# Altium PCB UmTRXv2.PcbDoc (part 1 of 25) (continued)
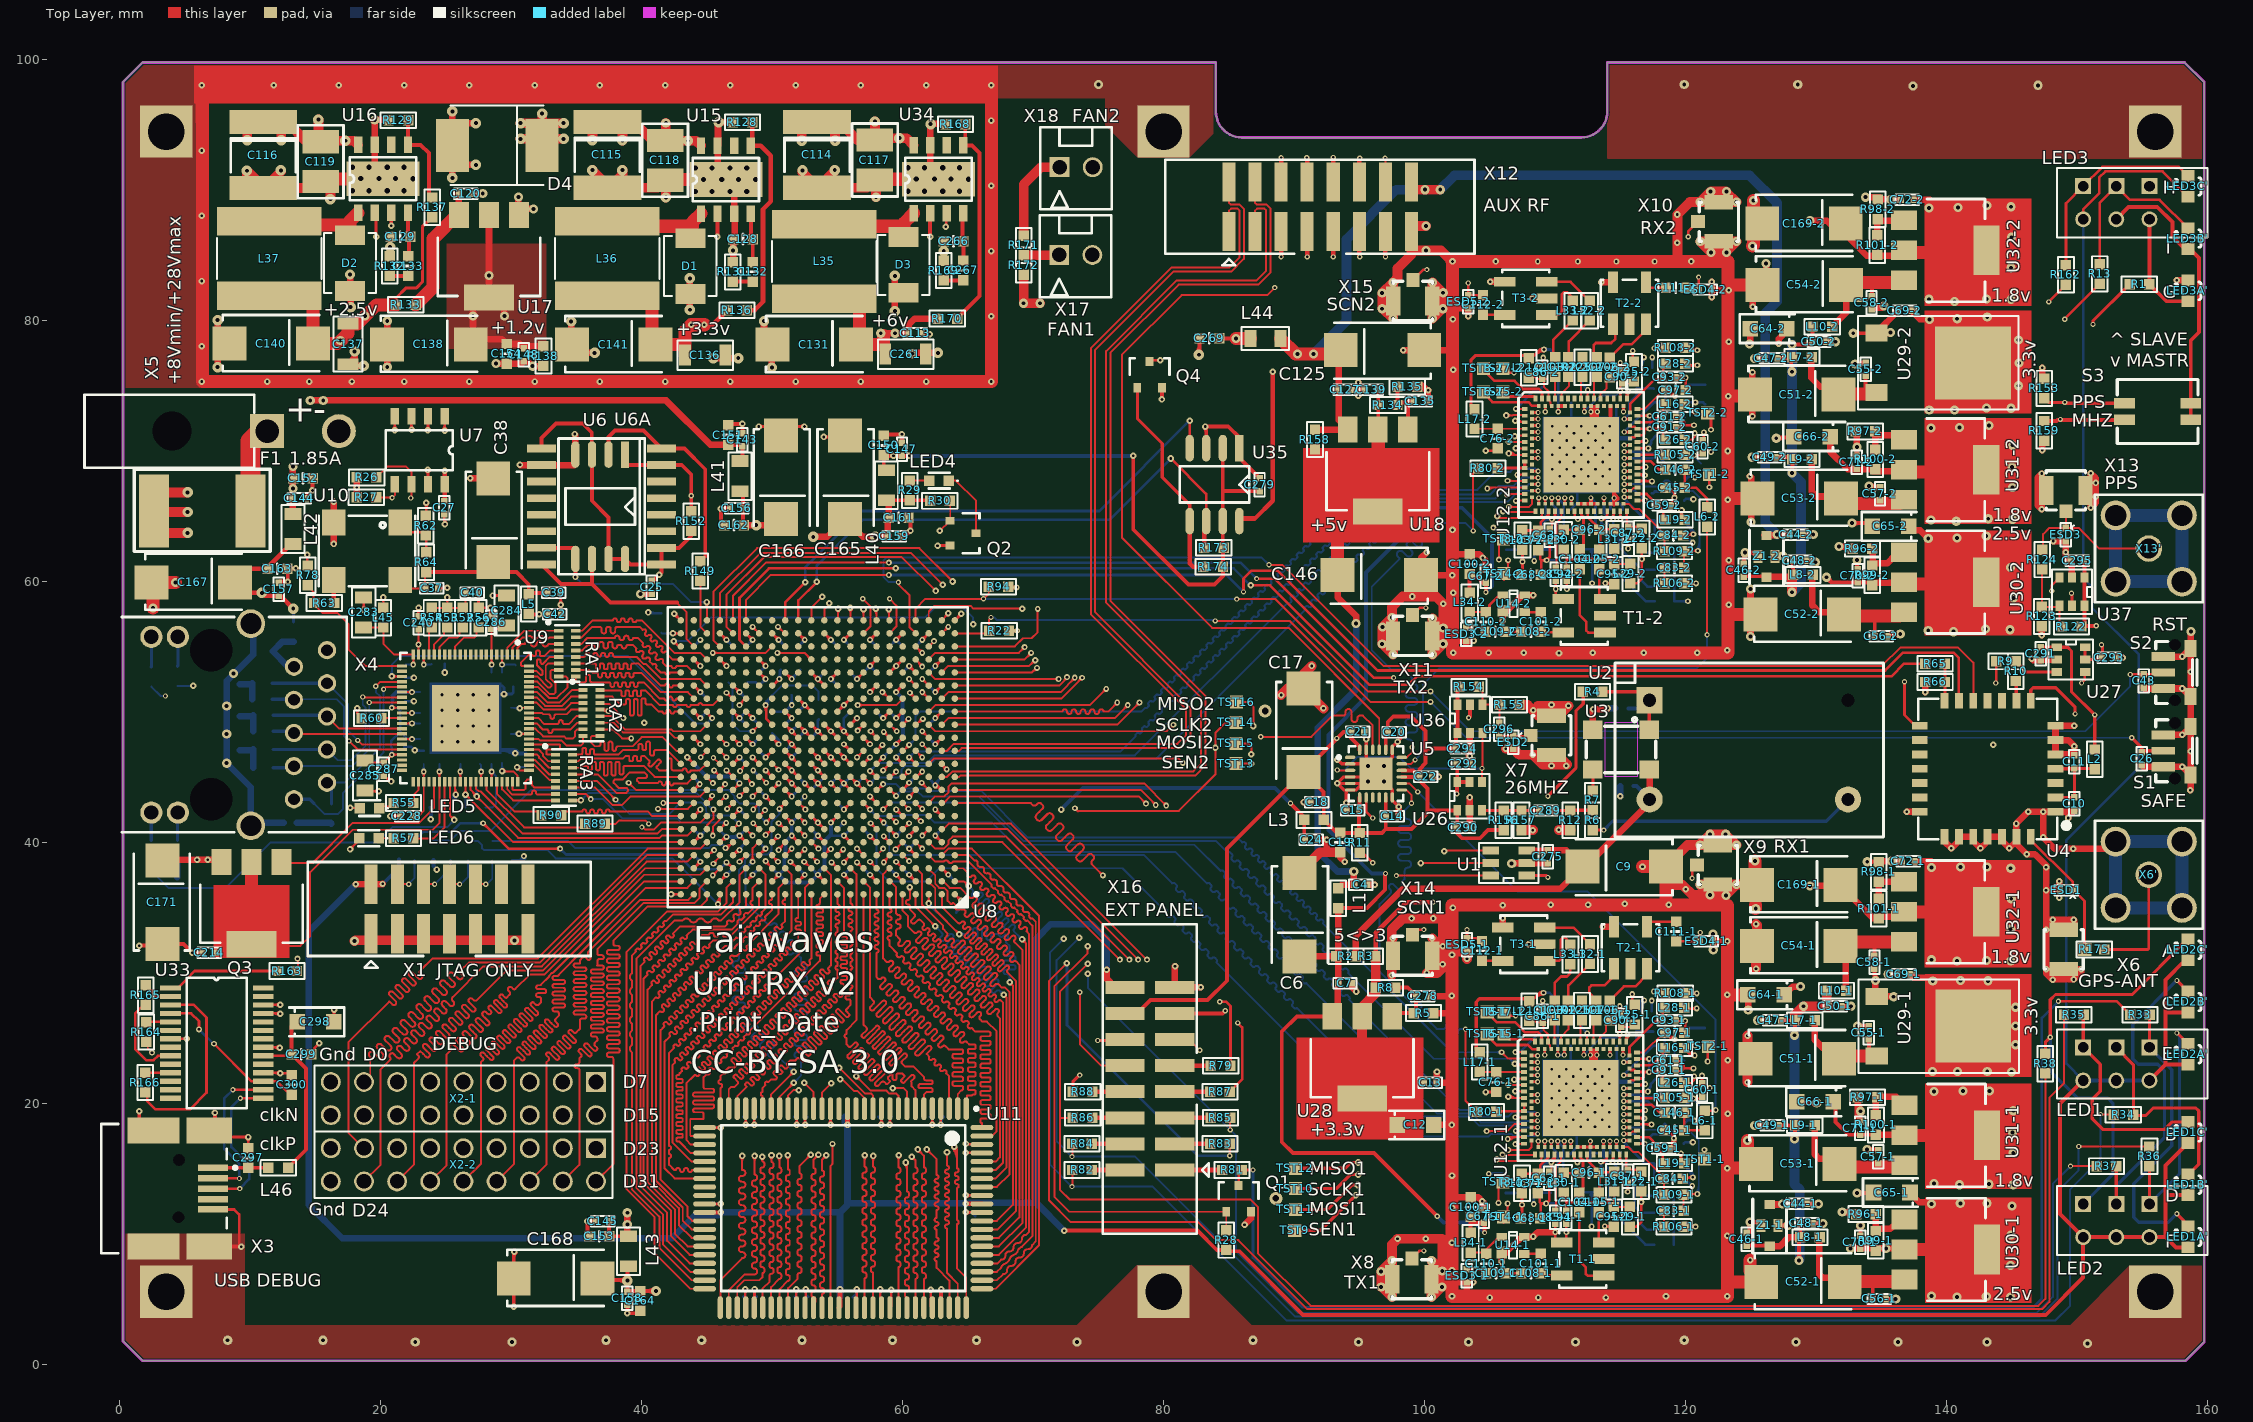
[diagram p0: Top Layer view]
## Components (designator, comment, footprint, x,y, rotation, side; value= is the part's Value field where it differs from the comment) (continued)
C72-1 "0.1" C0402-Phillips 137.05,38.55 r180 top (schematic designator C72)
C72-2 "0.1" C0402-Phillips 137,89.225 r180 top (schematic designator C72)
C73-1 "10.0" C0603-Phillips 118.307,15.388 r0 bottom (schematic designator C73)
C73-2 "10.0" C0603-Phillips 118.346,64.68 r0 bottom (schematic designator C73)
C74-1 "1.0" C0603-PHILLIPS 110.757,13.888 r270 bottom (schematic designator C74)
C74-2 "1.0" C0603-PHILLIPS 110.796,63.18 r270 bottom (schematic designator C74)
C75-1 "10.0" C0603-Phillips 116.311,26.308 r90 bottom (schematic designator C75)
C75-2 "10.0" C0603-Phillips 116.325,75.6 r90 bottom (schematic designator C75)
C76-1 "1.0" C0603-PHILLIPS 105.5,21.6 r270 top (schematic designator C76)
C76-2 "1.0" C0603-PHILLIPS 105.6,70.925 r270 top (schematic designator C76)
C77-1 "1.0" C0603-PHILLIPS 108.657,13.838 r270 top (schematic designator C77)
C77-2 "1.0" C0603-PHILLIPS 108.696,63.13 r270 top (schematic designator C77)
C78-1 "0.1" C0402-Phillips 115.525,16.175 r180 bottom (schematic designator C78)
C78-2 "0.1" C0402-Phillips 115.7,65.45 r180 bottom (schematic designator C78)
C79-1 "0.1" C0402-Cirq 115.225,24.35 r180 bottom (schematic designator C79)
C79-2 "0.1" C0402-Cirq 115.175,73.5 r180 bottom (schematic designator C79)
C80-1 "0.1" C0402-Cirq 115.925,21.15 r90 bottom (schematic designator C80)
C80-2 "0.1" C0402-Cirq 115.875,70.5 r90 bottom (schematic designator C80)
C81-1 "1.0" C0603-PHILLIPS 108.961,26.308 r90 bottom (schematic designator C81)
C81-2 "1.0" C0603-PHILLIPS 109,75.6 r90 bottom (schematic designator C81)
C82-1 "470p" C0603-PHILLIPS 119.157,18.438 r0 bottom (schematic designator C82)
C82-2 "470p" C0603-PHILLIPS 119.196,67.73 r0 bottom (schematic designator C82)
C83-1 "8n2" C0603-PHILLIPS 119.107,11.738 r180 top (schematic designator C83)
C83-2 "8n2" C0603-PHILLIPS 119.146,61.03 r180 top (schematic designator C83)
C84-1 "150p" C0603-PHILLIPS 119.025,14.2 r180 top (schematic designator C84)
C84-2 "150p" C0603-PHILLIPS 119.075,63.5 r180 top (schematic designator C84)
C85-1 "0.1" C0402-Phillips 110.007,11.238 r90 top (schematic designator C85)
C85-2 "0.1" C0402-Phillips 110.046,60.53 r90 top (schematic designator C85)
C86-1 "0.1" C0402-Phillips 109.05,26.675 r90 top (schematic designator C86)
C86-2 "0.1" C0402-Phillips 109.025,76 r90 top (schematic designator C86)
C87-1 "0.1" C0402-Phillips 115.557,14.388 r270 top (schematic designator C87)
C87-2 "0.1" C0402-Phillips 115.596,63.68 r270 top (schematic designator C87)
C88-1 "0.1" C0402-Cirq 110.7,24.375 r0 bottom (schematic designator C88)
C88-2 "0.1" C0402-Cirq 110.75,73.664 r0 bottom (schematic designator C88)
C89-1 "0.1" C0402-Cirq 116.825,17.45 r0 bottom (schematic designator C89)
C89-2 "0.1" C0402-Cirq 116.9,66.75 r0 bottom (schematic designator C89)
C90-1 "0.1" C0402-Phillips 115.075,26.35 r90 top (schematic designator C90)
C90-2 "0.1" C0402-Phillips 115.15,75.65 r90 top (schematic designator C90)
C91-1 "0.1" C0402-Phillips 118.761,22.508 r0 top (schematic designator C91)
C91-2 "0.1" C0402-Phillips 118.8,71.8 r0 top (schematic designator C91)
C92-1 "0.1" C0402-Cirq 113.725,16.15 r0 bottom (schematic designator C92)
C92-2 "0.1" C0402-Cirq 113.746,65.5 r0 bottom (schematic designator C92)
C93-1 "0.1" C0402-Phillips 118.75,26.35 r0 top (schematic designator C93)
C93-2 "0.1" C0402-Phillips 118.775,75.625 r0 top (schematic designator C93)
C94-1 "0.1" C0402-Phillips 110.857,11.238 r90 top (schematic designator C94)
C94-2 "0.1" C0402-Phillips 110.896,60.53 r90 top (schematic designator C94)
C95-1 "100p" C0603-PHILLIPS 114.507,11.288 r270 top (schematic designator C95)
C95-2 "100p" C0603-PHILLIPS 114.55,60.525 r270 top (schematic designator C95)
C96-1 "?" C0603-PHILLIPS 112.6,14.65 r180 top (schematic designator C96)
C96-2 "?" C0603-PHILLIPS 112.625,63.95 r180 top (schematic designator C96)
C97-1 "150p" C0603-PHILLIPS 119.161,25.408 r180 top (schematic designator C97)
C97-2 "150p" C0603-PHILLIPS 119.25,74.65 r180 top (schematic designator C97)
C98-1 "470p" C0603-PHILLIPS 119.161,24.408 r0 bottom (schematic designator C98)
C98-2 "470p" C0603-PHILLIPS 119.2,73.7 r0 bottom (schematic designator C98)
C99-1 "8n2" C0603-PHILLIPS 119.25,25.575 r0 bottom (schematic designator C99)
C99-2 "8n2" C0603-PHILLIPS 119.3,74.875 r0 bottom (schematic designator C99)
C100-1 "100p" C0603-PHILLIPS 103.525,12.025 r270 top (schematic designator C100)
C100-2 "100p" C0603-PHILLIPS 103.45,61.3 r270 top (schematic designator C100)
C101-1 "100p" C0603-PHILLIPS 108.9,7.7 r90 top (schematic designator C101)
C101-2 "100p" C0603-PHILLIPS 108.9,56.875 r90 top (schematic designator C101)
C102-1 "100p" C0603-PHILLIPS 110.975,27.1 r90 top (schematic designator C102)
C102-2 "100p" C0603-PHILLIPS 111,76.4 r90 top (schematic designator C102)
C103-1 "100p" C0603-PHILLIPS 109.961,27.108 r90 top (schematic designator C103)
C103-2 "100p" C0603-PHILLIPS 110,76.4 r90 top (schematic designator C103)
C104-1 "100p" C0603-PHILLIPS 111.857,12.388 r270 top (schematic designator C104)
C104-2 "100p" C0603-PHILLIPS 111.896,61.68 r270 top (schematic designator C104)
C105-1 "100p" C0603-PHILLIPS 113.357,12.388 r270 top (schematic designator C105)
C105-2 "100p" C0603-PHILLIPS 113.375,61.675 r270 top (schematic designator C105)
C106-1 "100p" C0603-PHILLIPS 114.175,27.1 r90 top (schematic designator C106)
C106-2 "100p" C0603-PHILLIPS 114.196,76.38 r90 top (schematic designator C106)
C107-1 "100p" C0603-PHILLIPS 113.15,27.1 r90 top (schematic designator C107)
C107-2 "100p" C0603-PHILLIPS 113.2,76.4 r90 top (schematic designator C107)
C108-1 "??" C0603-PHILLIPS 108.15,6.95 r180 top (schematic designator C108)
C108-2 "??" C0603-PHILLIPS 108.15,56.125 r180 top (schematic designator C108)
C109-1 "??" C0603-PHILLIPS 105.475,6.95 r180 top (schematic designator C109)
C109-2 "??" C0603-PHILLIPS 105.425,56.125 r180 top (schematic designator C109)
C110-1 "100p" C0603-PHILLIPS 104.725,7.7 r270 top (schematic designator C110)
C110-2 "100p" C0603-PHILLIPS 104.675,56.875 r270 top (schematic designator C110)
C111-1 "100p" C0603-PHILLIPS 119.275,33.15 r90 top (schematic designator C111)
C111-2 "100p" C0603-PHILLIPS 119.25,82.475 r180 top (schematic designator C111)
C112-1 "100p" C0603-PHILLIPS 104.4,31.675 r90 top (schematic designator C112)
C112-2 "100p" C0603-PHILLIPS 104.475,81.175 r90 top (schematic designator C112)
C113 "0.1" C0402-Phillips 60.975,79 r0 top
C114 "22uF/50V" C2220 53.45,92.675 r270 top
C115 "22uF/50V" C2220 37.375,92.675 r270 top
C116 "22uF/50V" C2220 11,92.65 r270 top
C117 "10uF/50V" C1210_H2,5 57.875,92.275 r270 top
C118 "10uF/50V" C1210_H2,5 41.8,92.25 r270 top
C119 "10uF/50V" C1210_H2,5 15.4,92.15 r270 top
C120 "0.1" C0402-Phillips 26.525,89.7 r0 top
C125 "100uF" cd7343 96.775,77.7 r180 top
C127 "0.1" C0402-Phillips 93.925,74.675 r0 top
C128 "220p" C0603-PHILLIPS 47.765,86.218 r180 top
C129 "220p" C0603-PHILLIPS 21.5,86.4 r180 top
C131 "330uF" cd7343 53.225,78.125 r0 top
C132 "22n" C0603-PHILLIPS 48.5,83.7 r270 top
C133 "22n" C0603-PHILLIPS 22.125,84.15 r270 top
C135 "0.01" C0402-Phillips 99.675,73.775 r0 top
C136 "4,7uF" c1206 44.875,77.325 r0 top
C137 "4,7uF" c1206 17.5,78.175 r270 top
C138 "100uF" cd7343 23.7,78.15 r0 top
C139 "0.1" C0402-Phillips 95.9,74.675 r180 top
C140 "330uF" cd7343 11.6,78.2 r0 top
C141 "330uF" cd7343 37.85,78.125 r0 top
C143 "0.1" C0402-Phillips 47.725,70.85 r90 top
C144 "0.1" C0402-Phillips 13.775,66.35 r0 top
C145 "0.1" C0402-Phillips 37,10.95 r180 top
C146 "100uF" cd7343 96.531,60.464 r180 top
C146-1 "0.01" C0603-PHILLIPS 119.15,19.25 r180 top (schematic designator C146)
C146-2 "0.01" C0603-PHILLIPS 119.2,68.55 r180 top (schematic designator C146)
C147 "0.1" C0402-Phillips 59.95,70.1 r90 top
C148 "0.1" C0402-Phillips 30.975,77.35 r270 top
C150 "220p" C0603-PHILLIPS 58.55,70.4 r90 top
C151 "220p" C0603-PHILLIPS 46.625,71.2 r90 top
C152 "220p" C0603-PHILLIPS 14.05,67.9 r0 top
C153 "220p" C0603-PHILLIPS 36.75,9.8 r180 top
C154 "220p" C0603-PHILLIPS 29.65,77.425 r270 top
C156 "0.1" C0402-Phillips 47.275,65.6 r180 top
C157 "0.1" C0402-Phillips 12.175,59.375 r90 top
C158 "0.1" C0402-Phillips 38.9,5.05 r270 top
C159 "0.1" C0402-Phillips 59.35,63.45 r0 top
C161 "220p" C0603-PHILLIPS 59.7,64.85 r0 top
C162 "220p" C0603-PHILLIPS 47.075,64.3 r180 top
C163 "220p" C0603-PHILLIPS 12.075,60.95 r0 top
C164 "220p" C0603-PHILLIPS 39.9,4.85 r270 top
C165 "100uF" cd7343 55.575,67.95 r270 top
C166 "100uF" cd7343 50.675,67.95 r270 top
C167 "100uF" cd7343 5.65,59.9 r0 top
C168 "100uF" cd7343 33.4,6.55 r0 top
C169-1 "330uF" cd7343 128.675,36.725 r0 top (schematic designator C169)
C169-2 "330uF" cd7343 129.075,87.4 r0 top (schematic designator C169)
C171 "100uF" cd7343 3.275,35.4 r90 top
C172 "0.1" C0402-cirq 48.5,46 r0 bottom
C174 "0.1" C0402-cirq 48.5,49 r0 bottom
C175 "0.1" C0402-cirq 59.5,47 r180 bottom
C176 "0.1" C0402-cirq 47,38.5 r270 bottom
C177 "0.1" C0402-cirq 48,50.5 r90 bottom
C178 "0.1" C0402-cirq 60,52.5 r270 bottom
C179 "0.1" C0402-cirq 62.95,45.45 r90 bottom
C180 "0.1" C0402-cirq 63,41.5 r90 bottom
C181 "0.1" C0402-cirq 61,40.5 r90 bottom
C182 "0.1" C0402-cirq 55,41.5 r90 bottom
C183 "0.1" C0402-cirq 52.5,40 r180 bottom
C184 "0.1" C0402-cirq 48,41.5 r270 bottom
C185 "0.1" C0402-cirq 43.95,39.55 r270 bottom
C186 "0.1" C0402-cirq 44,54.5 r270 bottom
C187 "0.1" C0402-cirq 49.5,38 r0 bottom
C188 "0.1" C0402-cirq 52.5,38 r0 bottom
C189 "0.1" C0402-cirq 56.5,38 r0 bottom
C190 "0.1" C0402-cirq 59.5,38 r0 bottom
C191 "0.1" C0402-cirq 64,36.5 r90 bottom
C192 "0.1" C0402-cirq 62,48.5 r90 bottom
C193 "0.1" C0402-cirq 60,40.5 r90 bottom
C194 "0.1" C0402-cirq 48.5,40 r0 bottom
C196 "0.1" C0402-cirq 55,43.5 r270 bottom
C197 "0.1" C0402-cirq 50.5,45 r180 bottom
C198 "0.1" C0402-cirq 58.5,53 r0 bottom
C199 "0.1" C0402-cirq 49,52.5 r270 bottom
C200 "0.1" C0402-cirq 56.5,46 r0 bottom
C201 "0.1" C0402-cirq 51.5,55 r180 bottom
C202 "0.1" C0402-cirq 58.5,55 r180 bottom
C203 "0.1" C0402-cirq 54.5,52 r180 bottom
C204 "0.1" C0402-cirq 56.5,41 r180 bottom
C205 "0.1" C0402-cirq 61.5,45 r180 bottom
C206 "0.1" C0402-cirq 52,42.5 r270 bottom
C207 "0.1" C0402-cirq 62,52.5 r90 bottom
C208 "0.1" C0402-cirq 45.45,41 r0 bottom
C209 "0.1" C0402-cirq 43.95,41.5 r90 bottom
C210 "0.1" C0402-cirq 47,45.5 r270 bottom
C211 "0.1" C0402-cirq 45,50.5 r270 bottom
C212 "0.1" C0402-cirq 44,45.5 r90 bottom
C213 "0.1" C0402-cirq 47.5,48 r180 bottom
C214 "2.2" C0402-Phillips 6.85,31.525 r0 top
C215 "0.1" C0402-Phillips 62.6,18.925 r0 bottom
C216 "0.1" C0402-Phillips 58.7,18.925 r180 bottom
C217 "0.1" C0402-Phillips 52.2,18.95 r0 bottom
C218 "0.1" C0402-Phillips 48.3,18.95 r180 bottom
C219 "0.1" C0402-Phillips 48.3,5.15 r180 bottom
C220 "0.1" C0402-Phillips 52.25,5.15 r0 bottom
C221 "0.1" C0402-Phillips 58.675,5.125 r180 bottom
C222 "0.1" C0402-Phillips 62.525,5.1 r0 bottom
C223 "0.1" C0402-Phillips 55.075,18.95 r0 bottom
C224 "0.1" C0402-Phillips 45.425,11.9 r270 bottom
C225 "0.1" C0402-Phillips 55.7,5.125 r180 bottom
C227 "0.1" C0402-Phillips 65.55,11.85 r90 bottom
C228 "2.2" C0402-Phillips 22,42 r0 top
C229 "0.1" C0402-Phillips 23.3,46.5 r90 bottom
C230 "0.1" C0402-Phillips 29.3,52.5 r270 bottom
C231 "0.1" C0402-Phillips 29.5,48.3 r180 bottom
C232 "0.1" C0402-Phillips 26.1,46.5 r90 bottom
C233 "0.1" C0402-Phillips 28.5,46.5 r90 bottom
C234 "0.1" C0402-Phillips 29.5,50.3 r180 bottom
C235 "0.1" C0402-Phillips 31.1,46.3 r90 bottom
C236 "0.1" C0402-Phillips 28.5,52.5 r270 bottom
C237 "0.1" C0402-Phillips 24.4,53.65 r0 bottom
C238 "0.1" C0402-Phillips 24.5,46.5 r90 bottom
C239 "0.1" C0402-Phillips 27.6,46.5 r90 bottom
C240 "0.1" C0402-Phillips 22.9,56.8 r90 top
C241 "0.1" C0402-Phillips 23.5,51.5 r0 bottom
C242 "0.1" C0402-Phillips 21.4,50.8 r0 bottom
C243 "0.1" C0402-Phillips 23.5,49.05 r0 bottom
C244 "0.1" C0402-Phillips 23.5,47.9 r0 bottom
C245 "0.1" C0402-Phillips 21.3,47.3 r0 bottom
C246 "2.2" C0402-cirq 53,41.5 r270 bottom
C247 "2.2" C0402-cirq 54.5,53 r0 bottom
C248 "2.2" C0402-cirq 50,43.5 r90 bottom
C249 "2.2" C0402-cirq 49,47.5 r90 bottom
C250 "2.2" C0402-cirq 49,44.5 r90 bottom
C251 "2.2" C0402-cirq 47.5,55 r0 bottom
C252 "2.2" C0402-cirq 55.5,55 r0 bottom
C254 "2.2" C0402-cirq 60.5,55 r180 bottom
C255 "2.2" C0402-cirq 56.5,48 r180 bottom
C256 "2.2" C0402-cirq 56.5,53 r0 bottom
C257 "2.2" C0402-cirq 51.5,50 r180 bottom
C258 "2.2" C0402-cirq 55.5,50 r0 bottom
C259 "2.2" C0402-cirq 58.5,50 r0 bottom
C260 "2.2" C0402-cirq 56.5,45 r180 bottom
C261 "4,7uF" c1206 60.225,77.4 r0 top
C262 "2.2" C0402-cirq 52.5,44 r0 bottom
C263 "2.2" C0402-cirq 51.5,47 r0 bottom
C264 "2.2" C0402-cirq 53.5,46 r0 bottom
C265 "2.2" C0402-cirq 51.5,49 r0 bottom
C266 "220p" C0603-PHILLIPS 63.9,86.05 r180 top
C267 "22n" C0603-PHILLIPS 64.65,83.825 r270 top
C268 "2.2" C0402-cirq 54.5,48 r180 bottom
C269 "220p" C0603-PHILLIPS 83.5,78.6 r180 top
C270 "0.1" C0402-cirq 53.5,47 r180 bottom
C271 "0.1" C0402-cirq 55.5,49 r180 bottom
C272 "0.1" C0402-cirq 54.5,45 r180 bottom
C273 "0.1" C0402-cirq 51.5,46 r0 bottom
C274 "0.1" C0402-cirq 52.5,45 r0 bottom
C275 "0.1" C0402-Phillips 109.425,38.875 r90 top
C276 "0.1" C0402-cirq 55.5,47 r180 bottom
C277 "0.1" C0402-cirq 52.5,48 r0 bottom
C278 "0.1" C0402-Phillips 99.857,28.204 r0 top
C279 "2.2" C0402-Phillips 87.35,67.4 r90 top
C280 "0.1" C0402-Phillips 29.35,46.5 r90 bottom
C281 "0.1" C0402-Phillips 21.9,53.1 r270 bottom
C282 "0.1" C0402-Phillips 23.5,49.95 r0 bottom
C283 "33uF CER" C0805-Phillips 18.7,57.6 r90 top
C284 "33uF CER" C0805-Phillips 29.65,57.75 r90 top
C285 "33uF CER" C0805-Phillips 18.8,45.1 r270 top
C286 "2.2" C0402-Phillips 28.475,56.85 r270 top
C287 "2.2" C0402-Phillips 20.25,45.6 r90 top
C289 "0.1" C0402-Phillips 109.3,42.425 r0 top
C290 "0.1" C0402-Phillips 102.975,41.1 r0 top
C291 "0.1" C0402-Phillips 147.205,54.438 r270 top
C292 "0.1" C0402-Phillips 102.975,46 r180 top
C293 "0.1" C0402-Phillips 152.45,54.125 r180 top
C294 "0.1" C0402-Phillips 102.9,47.175 r180 top
C295 "0.1" C0402-Phillips 150.025,61.55 r0 top
C296 "0.1" C0402-Phillips 105.725,48.65 r90 top
C297 "0.01" C0603-PHILLIPS 9.85,15.8 r270 top
C298 "10uF" CA3216 15,26.225 r0 top
C299 "0.1" C0603-PHILLIPS 13.925,23.75 r180 top
C300 "0.1" C0603-PHILLIPS 13.175,21.4 r270 top
D1 "STPS3L60U" SMB 43.725,84.15 r270 top
D2 "STPS3L60U" SMB 17.65,84.375 r270 top
D3 "STPS3L60U" SMB 60.075,84.235 r270 top
D4 "LNBTVS4-304S" SMC 28.925,93.4 r0 top
ESD1 "SESD0402S-005-054" SESD0402-Phillips 149.175,36.325 r180 top
ESD2 "SESD0402S-005-054" SESD0402-Phillips 106.8,47.65 r270 top
ESD3 "SESD0402S-005-054" SESD0402-Phillips 149.125,63.575 r270 top
ESD3-1 "SESD0402X1BN-0010-098" R0402-Phillips 103.225,6.775 r90 top (schematic designator ESD3)
ESD3-2 "SESD0402X1BN-0010-098" R0402-Phillips 103.2,55.925 r90 top (schematic designator ESD3)
ESD4-1 "SESD0402X1BN-0010-098" R0402-Phillips 121.6,32.4 r180 top (schematic designator ESD4)
ESD4-2 "SESD0402X1BN-0010-098" R0402-Phillips 121.5,82.35 r180 top (schematic designator ESD4)
ESD5-1 "SESD0402X1BN-0010-098" R0402-Phillips 103.25,32.125 r90 top (schematic designator ESD5)
ESD5-2 "SESD0402X1BN-0010-098" R0402-Phillips 103.35,81.4 r90 top (schematic designator ESD5)
F1 "1.85A" FUSE2920 6.325,65.375 r180 top
L1 "TI160808U601" TI160808-PHILLIPS 93.375,35.7 r270 top
L2 "TI160808U601" TI160808-PHILLIPS 151.35,46.35 r90 top
L3 "TI160808U601" TI160808-PHILLIPS 91.525,41.7 r180 top
L4 "TI160808U601" TI160808-PHILLIPS 13.325,56.125 r270 bottom
L5 "TI160808U601" TI160808-PHILLIPS 31.35,58.25 r270 top
L6-1 "TI160808U601" TI160808-PHILLIPS 121.461,18.658 r270 top (schematic designator L6)
L6-2 "TI160808U601" TI160808-PHILLIPS 121.65,64.925 r90 top (schematic designator L6)
L7-1 "TI160808U601" TI160808-PHILLIPS 129.14,26.363 r0 top (schematic designator L7)
L7-2 "TI160808U601" TI160808-PHILLIPS 128.925,77.175 r0 top (schematic designator L7)
L8-1 "TI160808U601" TI160808-PHILLIPS 129.54,9.731 r0 top (schematic designator L8)
L8-2 "TI160808U601" TI160808-PHILLIPS 128.99,60.476 r0 top (schematic designator L8)
L9-1 "TI160808U601" TI160808-PHILLIPS 129.134,18.316 r0 top (schematic designator L9)
L9-2 "TI160808U601" TI160808-PHILLIPS 128.925,69.35 r0 top (schematic designator L9)
L10-1 "TI160808U601" TI160808-PHILLIPS 131.575,28.625 r0 top (schematic designator L10)
L10-2 "TI160808U601" TI160808-PHILLIPS 130.475,79.5 r0 top (schematic designator L10)
L11-1 "TI160808U601" TI160808-PHILLIPS 109.657,13.888 r270 bottom (schematic designator L11)
L11-2 "TI160808U601" TI160808-PHILLIPS 109.696,63.18 r270 bottom (schematic designator L11)
L12-1 "TI160808U601" TI160808-PHILLIPS 111.811,13.908 r90 bottom (schematic designator L12)
L12-2 "TI160808U601" TI160808-PHILLIPS 111.85,63.2 r90 bottom (schematic designator L12)
L13-1 "TI160808U601" TI160808-PHILLIPS 119.157,20.988 r180 bottom (schematic designator L13)
L13-2 "TI160808U601" TI160808-PHILLIPS 119.196,70.28 r180 bottom (schematic designator L13)
L14-1 "TI160808U601" TI160808-PHILLIPS 118.357,14.088 r180 bottom (schematic designator L14)
L14-2 "TI160808U601" TI160808-PHILLIPS 118.396,63.38 r180 bottom (schematic designator L14)
L15-1 "TI160808U601" TI160808-PHILLIPS 117.411,26.308 r270 bottom (schematic designator L15)
L15-2 "TI160808U601" TI160808-PHILLIPS 117.4,75.6 r270 bottom (schematic designator L15)
L16-1 "TI160808U601" TI160808-PHILLIPS 119.15,24.225 r0 top (schematic designator L16)
L16-2 "TI160808U601" TI160808-PHILLIPS 119.2,73.55 r0 top (schematic designator L16)
L17-1 "TI160808U601" TI160808-PHILLIPS 104.225,23.15 r270 top (schematic designator L17)
L17-2 "TI160808U601" TI160808-PHILLIPS 103.825,72.425 r270 top (schematic designator L17)
L18-1 "TI160808U601" TI160808-PHILLIPS 121.161,20.458 r90 bottom (schematic designator L18)
L18-2 "TI160808U601" TI160808-PHILLIPS 121.2,69.75 r90 bottom (schematic designator L18)
L19-1 "TI160808U601" TI160808-PHILLIPS 119.161,15.408 r0 top (schematic designator L19)
L19-2 "TI160808U601" TI160808-PHILLIPS 119.2,64.7 r0 top (schematic designator L19)
L20-1 "TI160808U601" TI160808-PHILLIPS 108.557,13.888 r270 bottom (schematic designator L20)
L20-2 "TI160808U601" TI160808-PHILLIPS 108.596,63.18 r270 bottom (schematic designator L20)
L21-1 "TI160808U601" TI160808-PHILLIPS 108.025,27.05 r90 top (schematic designator L21)
L21-2 "TI160808U601" TI160808-PHILLIPS 107.975,76.35 r90 top (schematic designator L21)
L22-1 "TI160808U601" TI160808-PHILLIPS 116.607,13.988 r90 top (schematic designator L22)
L22-2 "TI160808U601" TI160808-PHILLIPS 116.646,63.28 r90 top (schematic designator L22)
L23-1 "TI160808U601" TI160808-PHILLIPS 110.207,27.088 r90 bottom (schematic designator L23)
L23-2 "TI160808U601" TI160808-PHILLIPS 110.246,76.38 r90 bottom (schematic designator L23)
L24-1 "TI160808U601" TI160808-PHILLIPS 119.107,16.888 r180 bottom (schematic designator L24)
L24-2 "TI160808U601" TI160808-PHILLIPS 119.146,66.18 r180 bottom (schematic designator L24)
L25-1 "TI160808U601" TI160808-PHILLIPS 116.1,26.775 r90 top (schematic designator L25)
L25-2 "TI160808U601" TI160808-PHILLIPS 116.05,76.05 r90 top (schematic designator L25)
L26-1 "TI160808U601" TI160808-PHILLIPS 119.15,21.55 r180 top (schematic designator L26)
L26-2 "TI160808U601" TI160808-PHILLIPS 119.2,70.85 r180 top (schematic designator L26)
L27-1 "TI160808U601" TI160808-PHILLIPS 112.911,13.908 r270 bottom (schematic designator L27)
L27-2 "TI160808U601" TI160808-PHILLIPS 112.95,63.2 r270 bottom (schematic designator L27)
L28-1 "TI160808U601" TI160808-PHILLIPS 119.15,27.325 r180 top (schematic designator L28)
L28-2 "TI160808U601" TI160808-PHILLIPS 119.225,76.65 r180 top (schematic designator L28)
L29-1 "TI160808U601" TI160808-PHILLIPS 115.737,11.292 r270 top (schematic designator L29)
L29-2 "TI160808U601" TI160808-PHILLIPS 115.776,60.584 r270 top (schematic designator L29)
L30-1 "39nH" TF160808-PHILLIPS 110.675,13.9 r90 top (schematic designator L30)
L30-2 "39nH" TF160808-PHILLIPS 110.675,63.175 r90 top (schematic designator L30)
L31-1 "39nH" TF160808-PHILLIPS 114.525,13.975 r90 top (schematic designator L31)
L31-2 "39nH" TF160808-PHILLIPS 114.55,63.225 r90 top (schematic designator L31)
L32-1 "4,7nH" TF160808-PHILLIPS 112.675,31.425 r90 top (schematic designator L32)
L32-2 "4,7nH" TF160808-PHILLIPS 112.65,80.725 r90 top (schematic designator L32)
L33-1 "4,7nH" TF160808-PHILLIPS 111.175,31.4 r90 top (schematic designator L33)
L33-2 "4,7nH" TF160808-PHILLIPS 111.35,80.725 r90 top (schematic designator L33)
L34-1 "39nH" TF160808-PHILLIPS 103.525,9.3 r270 top (schematic designator L34)
L34-2 "39nH" TF160808-PHILLIPS 103.45,58.375 r270 top (schematic designator L34)
L35 "15 uH" SRN8040 54,84.5 r0 top
L36 "15 uH" SRN8040 37.375,84.725 r0 top
L37 "15 uH" SRN8040 11.45,84.725 r0 top
L40 "TI201209-121" TI2012-PHILLIPS 58.75,67.35 r270 top
L41 "TI201209-121" TI2012-PHILLIPS 47.525,68.05 r270 top
L42 "TI201209-121" TI2012-PHILLIPS 13.275,64 r270 top
L43 "TI201209-121" TI2012-PHILLIPS 39,8.65 r270 top
L44 "TI201209-121" TI2012-PHILLIPS 87.8,78.6 r0 top
L45 "TI160808U601" TI160808-PHILLIPS 20.2,57.2 r270 top
L46 "TI160808U601" TI160808-PHILLIPS 12.15,15.05 r0 top
LED1 "L7104SA/3GD" L-7104SA/3 160,23 r270 top
LED1A' "APA-1606CGCK" KPA-1606g 158.5,9.75 r270 top
LED1B' "APA-1606CGCK" KPA-1606g 158.5,13.75 r270 top
LED1C' "APA-1606CGCK" KPA-1606g 158.5,17.75 r270 top
LED2 "L7104SA/3GD" L-7104SA/3 160,11 r270 top
LED2A' "APA-1606CGCK" KPA-1606g 158.5,23.75 r270 top
LED2B' "APA-1606CGCK" KPA-1606g 158.5,27.75 r270 top
LED2C' "APA-1606CGCK" KPA-1606g 158.5,31.75 r270 top
LED3 "L7104SA/3GD" L-7104SA/3 160,89 r270 top
LED3A' "APA-1606CGCK" KPA-1606g 158.5,82.25 r270 top
LED3B' "APA-1606CGCK" KPA-1606g 158.5,86.25 r270 top
LED3C' "APA-1606CGCK" KPA-1606g 158.5,90.25 r270 top
LED4 "LS Q976-NR-1" LED-0603y 62.8,67.7 r180 top
LED5 "LS Q976-NR-1" LED-0603y 19.15,42.6 r180 top
LED6 "LS Q976-NR-1" LED-0603y 19.1,40.3 r180 top
Q1 "FDV301N" SOT23-Philips 85.75,12.675 r0 top
Q2 "FDV301N" SOT23-Philips 64.625,63.675 r270 top
Q3 "BCP69" SOT-223 10.1,35.325 r180 top
Q4 "BC817-40" SOT23-Philips 78.925,75.825 r0 top
R1 "330" R0603-PHILLIPS 154.775,82.75 r180 top
R2 "??" R0603-PHILLIPS 93.975,31.25 r0 top
R3 "0" R0603-PHILLIPS 95.475,31.25 r180 top
R4 "1k" R0603-PHILLIPS 112.875,51.525 r0 top
R5 "200" R0603-PHILLIPS 99.907,26.904 r180 top
R6 "3k3" R0603-PHILLIPS 112.9,41.675 r90 top
R7 "0" R0603-PHILLIPS 112.9,43.2 r270 top
R8 "120" R0603-PHILLIPS 97.007,28.854 r180 top
R9 "0" R0603-PHILLIPS 144.55,53.85 r0 top
R10 "??" R0603-PHILLIPS 145.3,53.1 r90 top
R11 "1k" R0603-PHILLIPS 95.025,39.95 r270 top
R12 "2k2" R0603-PHILLIPS 111.175,41.675 r90 top
R13 "330" R0603-PHILLIPS 151.75,83.55 r270 top
R14 "10" R0603-PHILLIPS 22.604,39.383 r90 bottom
R15 "10" R0603-PHILLIPS 25.341,39.37 r90 bottom
R16 "10" R0603-PHILLIPS 26.7,39.35 r90 bottom
R17 "10" R0603-PHILLIPS 28.55,39.35 r90 bottom
R18 "10k" R0603-PHILLIPS 21.388,39.421 r90 bottom
R19 "10k" R0603-PHILLIPS 30.1,39.35 r90 bottom
R20 "10k" R0603-PHILLIPS 24.036,39.37 r270 bottom
R21 "10k" R0603-PHILLIPS 47.275,52.375 r180 bottom
R22 "4k7" R0603-PHILLIPS 67.4,56.2 r180 top
R23 "4k7" R0603-PHILLIPS 50,48.95 r270 bottom
R24 "4k7" R0603-PHILLIPS 53.566,50.146 r90 bottom
R26 "1k" R0603-PHILLIPS 18.925,67.95 r0 top
R27 "1k" R0603-PHILLIPS 18.9,66.425 r0 top
R28 "330" R0603-PHILLIPS 84.8,9.5 r90 top
R29 "1k" R0603-PHILLIPS 60.55,66.95 r90 top
R30 "4k7" R0603-PHILLIPS 62.85,66.15 r0 top
R31 "330" R0603-PHILLIPS 41.5,56.8 r90 bottom
R32 "330" R0603-PHILLIPS 51.35,53.2 r0 bottom
R33 "1k" R0603-PHILLIPS 154.825,26.775 r180 top
R34 "1k" R0603-PHILLIPS 153.55,19.1 r180 top
R35 "1k" R0603-PHILLIPS 149.75,26.775 r180 top
R36 "1k" R0603-PHILLIPS 155.55,15.925 r90 top
R37 "1k" R0603-PHILLIPS 152.25,15.175 r180 top
R38 "1k" R0603-PHILLIPS 147.575,23.025 r270 top
R41 "0" R0603-PHILLIPS 4.425,39.4 r270 bottom
R42 "0" R0603-PHILLIPS 2.425,52.675 r270 bottom
R43 "100" R0603-PHILLIPS 2.425,39.375 r270 bottom
R44 "56" R0603-PHILLIPS 4.425,52.725 r270 bottom
R45 "51" R0603-PHILLIPS 16.2,42.25 r90 bottom
R46 "10k" R0603-PHILLIPS 3.675,37.325 r0 bottom
R47 "51" R0603-PHILLIPS 14.875,42.225 r90 bottom
R48 "51" R0603-PHILLIPS 11,47.1 r0 bottom
R49 "51" R0603-PHILLIPS 11,45.7 r0 bottom
R50 "51" R0603-PHILLIPS 11,49.725 r0 bottom
R51 "51" R0603-PHILLIPS 11,48.5 r0 bottom
R52 "??" R0603-PHILLIPS 26.3,57.2 r270 top
R53 "??" R0603-PHILLIPS 25.1,57.2 r270 top
R54 "??" R0603-PHILLIPS 23.9,57.2 r270 top
R55 "330" R0603-PHILLIPS 21.75,43 r0 top
R56 "330" R0603-PHILLIPS 27.5,57.2 r270 top
R57 "330" R0603-PHILLIPS 21.75,40.3 r0 top
R58 "51" R0603-PHILLIPS 10.925,52.175 r0 bottom
R59 "51" R0603-PHILLIPS 10.925,50.95 r0 bottom
R60 "6k34" R0603-PHILLIPS 19.3,49.5 r180 top
R61 "1k00" R0603-PHILLIPS 24.55,42.65 r180 bottom
R62 "??" R0603-PHILLIPS 23.45,64.25 r270 top
R63 "330" R0603-PHILLIPS 15.675,58.325 r180 top
R64 "1k" R0603-PHILLIPS 23.5,61.45 r270 top
R65 "1k" R0603-PHILLIPS 139.125,53.675 r0 top
R66 "10k" R0603-PHILLIPS 139.125,52.275 r0 top
R67 "1k5" R0603-PHILLIPS 50.75,51.25 r180 bottom
R78 "1k" R0603-PHILLIPS 14.4,60.45 r90 top
R79 "330" R0603-PHILLIPS 84.375,22.875 r0 top
R80-1 "10" R0603-PHILLIPS 104.75,19.325 r0 top (schematic designator R80)
R80-2 "10" R0603-PHILLIPS 104.85,68.65 r0 top (schematic designator R80)
R81 "330" R0603-PHILLIPS 85.25,14.875 r0 top
R82 "330" R0603-PHILLIPS 73.75,14.875 r180 top
R83 "330" R0603-PHILLIPS 84.325,16.875 r0 top
R84 "330" R0603-PHILLIPS 73.75,16.875 r180 top
R85 "330" R0603-PHILLIPS 84.35,18.875 r0 top
R86 "330" R0603-PHILLIPS 73.8,18.875 r180 top
R87 "330" R0603-PHILLIPS 84.325,20.875 r0 top
R88 "330" R0603-PHILLIPS 73.8,20.875 r180 top
R89 "33" R0603-PHILLIPS 36.425,41.425 r0 top
R90 "33" R0603-PHILLIPS 33.075,42.075 r180 top
R91 "2k" R0603-PHILLIPS 27.3,42.65 r180 bottom
R92 "2k" R0603-PHILLIPS 28.1,44.287 r180 bottom
R93 "4k7" R0603-PHILLIPS 63.35,34.6 r0 bottom
R94 "1k" R0603-PHILLIPS 67.35,59.575 r180 top
R95-1 "1k" R0603-PHILLIPS 119.157,22.088 r0 bottom (schematic designator R95)
R95-2 "1k" R0603-PHILLIPS 119.196,71.38 r0 bottom (schematic designator R95)
R96-1 "120" R0603-PHILLIPS 133.825,11.5 r0 top (schematic designator R96)
R96-2 "120" R0603-PHILLIPS 133.55,62.5 r0 top (schematic designator R96)
R97-1 "56" R0603-PHILLIPS 133.95,20.45 r0 top (schematic designator R97)
R97-2 "56" R0603-PHILLIPS 133.775,71.475 r0 top (schematic designator R97)
R98-1 "56" R0603-PHILLIPS 134.8,37.725 r270 top (schematic designator R98)
R98-2 "56" R0603-PHILLIPS 134.725,88.5 r270 top (schematic designator R98)
R99-1 "120" R0603-PHILLIPS 134.575,9.45 r270 top (schematic designator R99)
R99-2 "120" R0603-PHILLIPS 134.3,60.45 r270 top (schematic designator R99)
R100-1 "120" R0603-PHILLIPS 134.59,18.327 r270 top (schematic designator R100)
R100-2 "120" R0603-PHILLIPS 134.54,69.326 r270 top (schematic designator R100)
R101-1 "120" R0603-PHILLIPS 134.8,34.9 r270 top (schematic designator R101)
R101-2 "120" R0603-PHILLIPS 134.7,85.75 r270 top (schematic designator R101)
R103-1 "270" R0603-PHILLIPS 107.461,13.858 r90 top (schematic designator R103)
R103-2 "270" R0603-PHILLIPS 107.5,63.15 r90 top (schematic designator R103)
R104-1 "150" R0603-PHILLIPS 119.157,19.738 r180 bottom (schematic designator R104)
R104-2 "150" R0603-PHILLIPS 119.196,69.03 r180 bottom (schematic designator R104)
R105-1 "10" R0603-PHILLIPS 119.15,20.4 r180 top (schematic designator R105)
R105-2 "10" R0603-PHILLIPS 119.2,69.7 r180 top (schematic designator R105)
R106-1 "820" R0603-PHILLIPS 119.107,10.538 r180 top (schematic designator R106)
R106-2 "820" R0603-PHILLIPS 119.146,59.83 r180 top (schematic designator R106)
R107-1 "390" R0603-PHILLIPS 106.211,13.858 r270 bottom (schematic designator R107)
R107-2 "390" R0603-PHILLIPS 106.25,63.15 r270 bottom (schematic designator R107)
R108-1 "12k" R0603-PHILLIPS 119.211,28.408 r180 top (schematic designator R108)
R108-2 "12k" R0603-PHILLIPS 119.225,77.875 r180 top (schematic designator R108)
R109-1 "1k2" R0603-PHILLIPS 119.107,12.988 r180 top (schematic designator R109)
R109-2 "1k2" R0603-PHILLIPS 119.146,62.28 r180 top (schematic designator R109)
R110-1 "51" R0603-PHILLIPS 118.361,9.158 r180 bottom (schematic designator R110)
R110-2 "51" R0603-PHILLIPS 118.4,58.45 r180 bottom (schematic designator R110)
R111-1 "51" R0603-PHILLIPS 118.357,10.288 r180 bottom (schematic designator R111)
R111-2 "51" R0603-PHILLIPS 118.396,59.58 r180 bottom (schematic designator R111)
R112-1 "51" R0603-PHILLIPS 118.357,11.588 r180 bottom (schematic designator R112)
R112-2 "51" R0603-PHILLIPS 118.396,60.88 r180 bottom (schematic designator R112)
R113-1 "51" R0603-PHILLIPS 118.357,12.888 r180 bottom (schematic designator R113)
R113-2 "51" R0603-PHILLIPS 118.396,62.18 r180 bottom (schematic designator R113)
R114-1 "6k8" R0603-PHILLIPS 107.461,13.858 r90 bottom (schematic designator R114)
R114-2 "6k8" R0603-PHILLIPS 107.5,63.15 r90 bottom (schematic designator R114)
R119-1 "1k2" R0603-PHILLIPS 119.161,23.258 r180 bottom (schematic designator R119)
R119-2 "1k2" R0603-PHILLIPS 119.2,72.55 r180 bottom (schematic designator R119)
R121-1 "820" R0603-PHILLIPS 121.461,25.008 r270 bottom (schematic designator R121)
R121-2 "820" R0603-PHILLIPS 121.5,74.3 r270 bottom (schematic designator R121)
R122 "10k" R0603-PHILLIPS 149.575,56.525 r0 top
R123 "10k" R0603-PHILLIPS 147.3,57.3 r270 top
R124 "0" R0603-PHILLIPS 147.325,61.65 r270 top
R125-1 "??" R0603-PHILLIPS 112.061,27.108 r270 top (schematic designator R125)
R125-2 "??" R0603-PHILLIPS 112.1,76.4 r270 top (schematic designator R125)
R128 "3k3" R0603-PHILLIPS 47.725,95.175 r0 top
R129 "4k7" R0603-PHILLIPS 21.35,95.325 r0 top
R131 "4k7" R0603-PHILLIPS 46.975,83.7 r90 top
R132 "4k7" R0603-PHILLIPS 20.7,84.15 r90 top
R133 "0" R0603-PHILLIPS 21.925,81.175 r0 top
R134 "120" R0603-PHILLIPS 97.175,73.5 r0 top
R135 "360" R0603-PHILLIPS 98.675,74.9 r0 top
R136 "5k6" R0603-PHILLIPS 47.3,80.75 r0 top
R137 "5k1" R0603-PHILLIPS 23.95,88.65 r90 top
R138 "120" R0603-PHILLIPS 32.475,77.25 r270 top
R149 "330" R0603-PHILLIPS 44.5,60.775 r90 top
R152 "2k4" R0603-PHILLIPS 43.8,64.6 r90 top
R153 "1k" R0603-PHILLIPS 147.5,74.775 r270 top
R154 "10k" R0603-PHILLIPS 103.401,51.9 r180 top
R155 "10k" R0603-PHILLIPS 106.5,50.525 r0 top
R156 "10k" R0603-PHILLIPS 106.05,41.675 r90 top
R157 "10k" R0603-PHILLIPS 107.425,41.675 r270 top
R158 "??" R0603-PHILLIPS 91.6,70.85 r270 top
R159 "1k" R0603-PHILLIPS 147.5,71.525 r90 top
R162 "1K" R0603-PHILLIPS 149.15,83.475 r90 top
R163 "1k" R0603-PHILLIPS 12.825,30.125 r180 top
R164 "1k" R0603-PHILLIPS 2.025,25.45 r90 top
R165 "0" R0603-PHILLIPS 2,28.275 r270 top
R166 "0" R0603-PHILLIPS 1.95,21.575 r90 top
R168 "1k2" R0603-PHILLIPS 64.05,95.025 r0 top
R169 "4k7" R0603-PHILLIPS 63.15,83.8 r90 top
R170 "4k7" R0603-PHILLIPS 63.425,80.125 r0 top
R171 "0" R0603-PHILLIPS 69.275,85.725 r270 top
R172 "??" R0603-PHILLIPS 69.275,84.225 r90 top
R173 "10k" R0603-PHILLIPS 83.85,62.55 r180 top
R174 "10k" R0603-PHILLIPS 83.8,61.1 r180 top
R175 "??" R0603-PHILLIPS 151.325,31.775 r180 top
RA1 "33" YC248 34.3,54.45 r0 top
RA2 "33" YC248 36.15,49.9 r0 top
RA3 "33" YC248 34.05,44.95 r0 top